# Altium PCB YarnControl_Mainboard_v1.5.PcbDoc
Units mm, origin at the board's own origin, x right, y up, seen from the top; angles counter-clockwise.
Board outline 138.75 x 120 mm, 2 copper layers (Top Layer, Bottom Layer); 128 components, 114 nets, 507 pads, 304 vias.
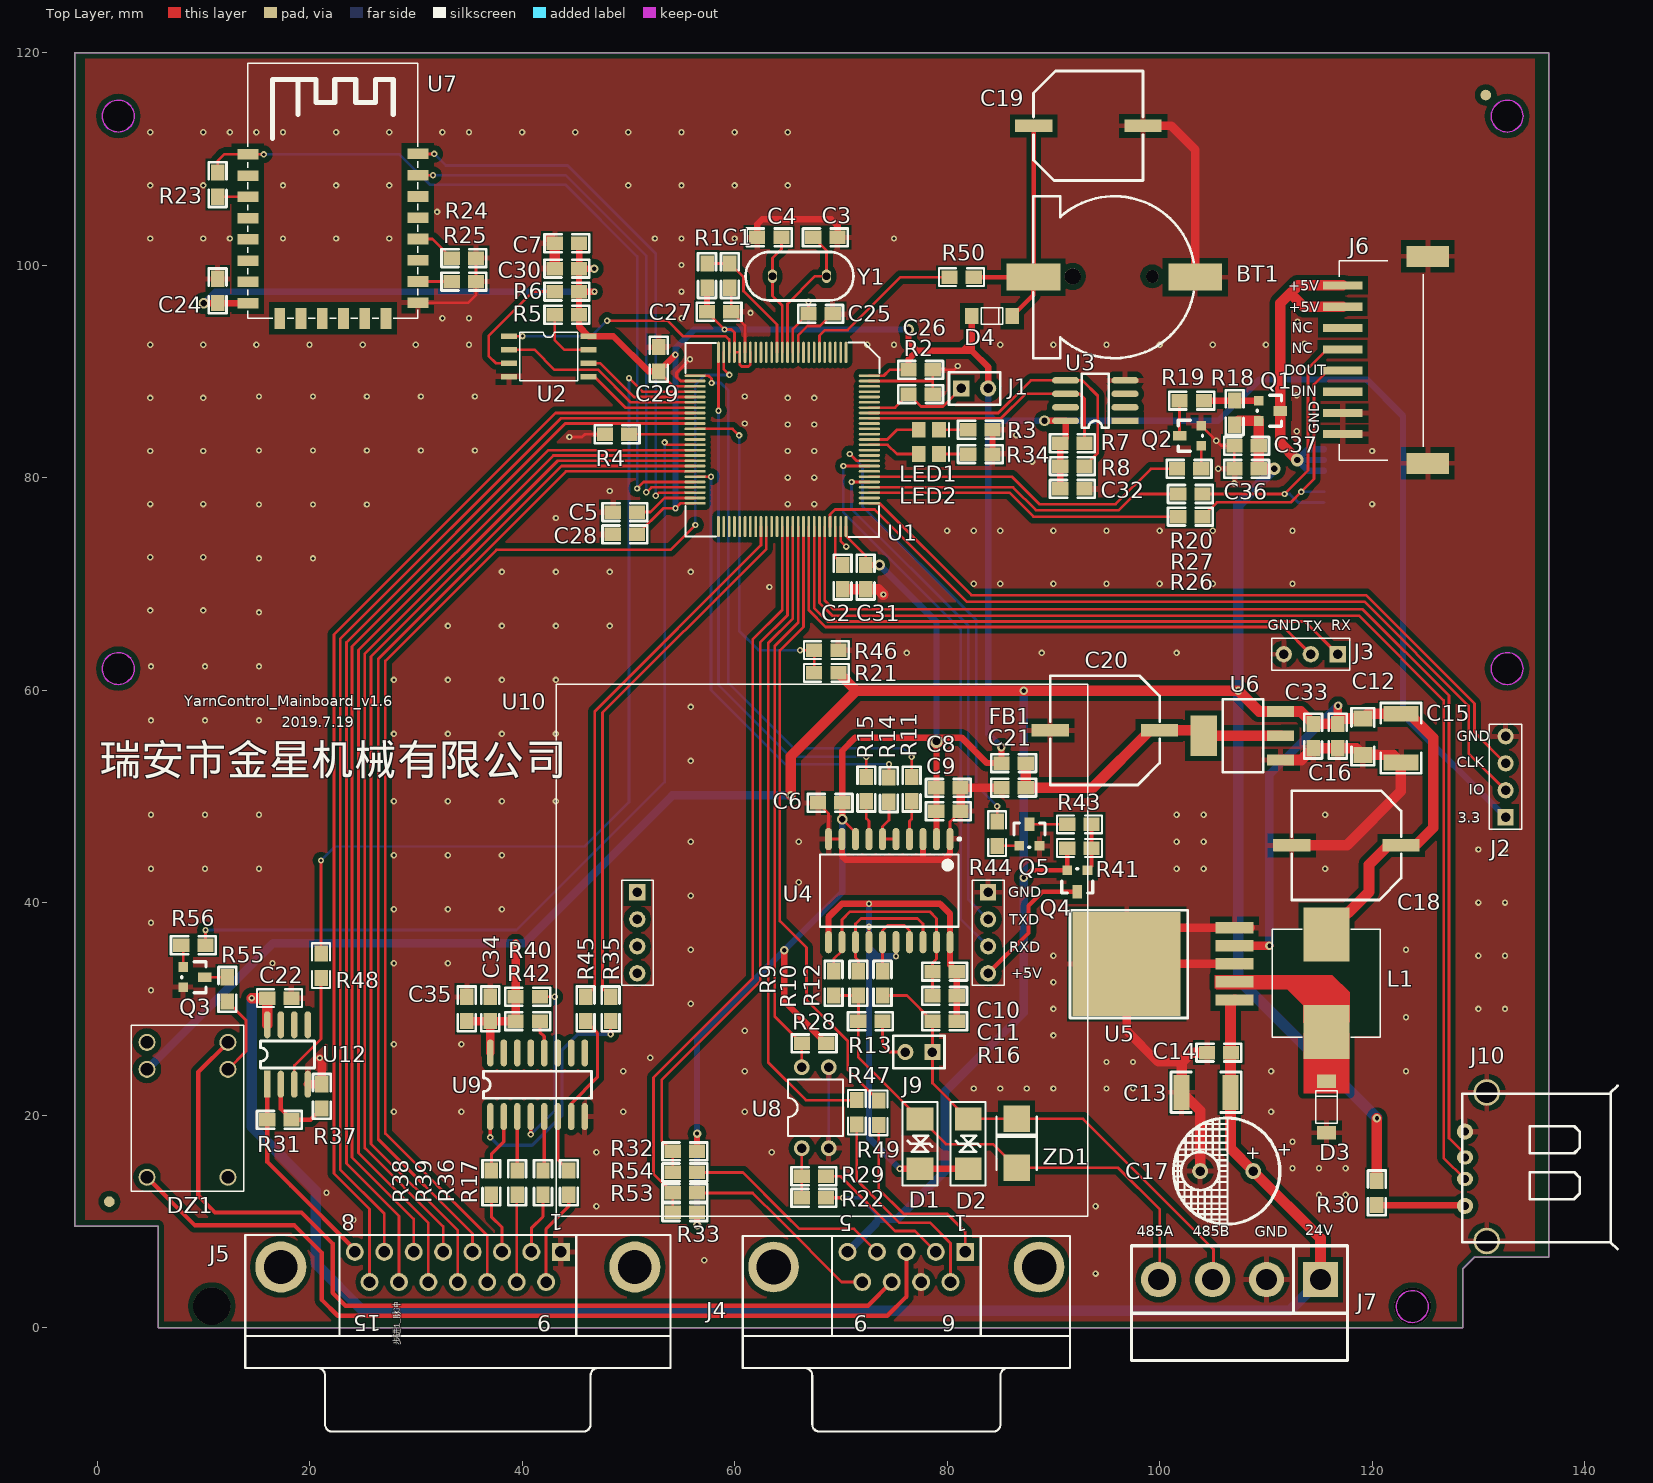
[diagram p0: Top Layer view]
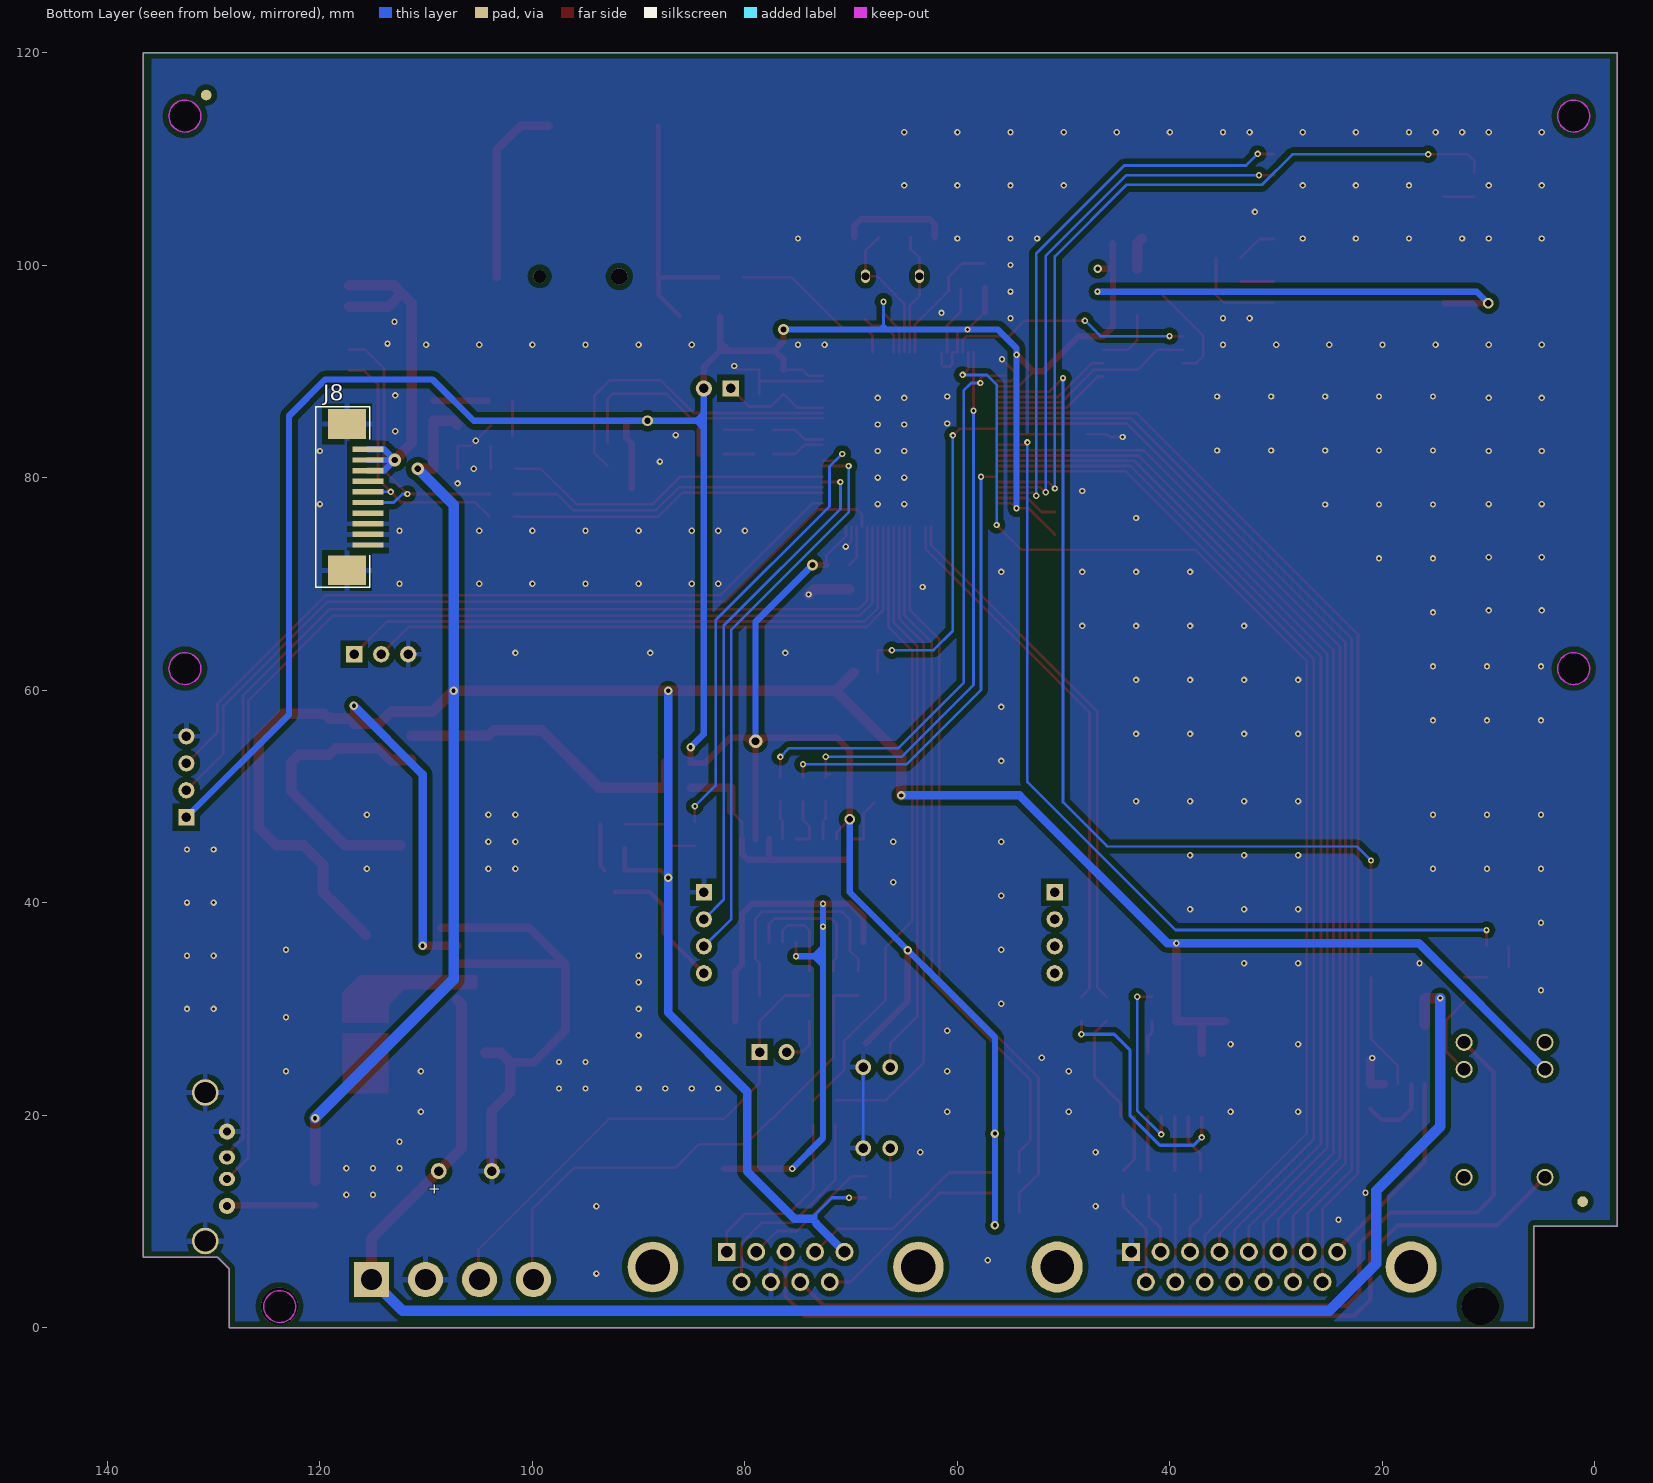
[diagram p1: Bottom Layer view, seen from below]

## Layer stack, top to bottom
Top Layer: signal copper 0.0356
Dielectric: dielectric 0.32, FR-4, Dk 4.8
Bottom Layer: signal copper 0.0356

## Board outline
-2.118,9.55 -2.118,120 136.636,120 136.636,6.604 129.616,6.604 128.549,5.537 128.549,0 5.74,0 5.74,9.55
cut-out: 2,112.519 cw(c2,114.019) 0.5,114.019 cw(c2,114.019) 2,115.519 cw(c2,114.019) 3.5,114.019 cw(c2,114.019)
cut-out: 2,60.519 cw(c2,62.019) 0.5,62.019 cw(c2,62.019) 2,63.519 cw(c2,62.019) 3.5,62.019 cw(c2,62.019)
cut-out: 131.2,62.019 ccw(c132.7,62.019) 132.7,60.519 ccw(c132.7,62.019) 134.2,62.019 ccw(c132.7,62.019) 132.7,63.519 ccw(c132.7,62.019)
cut-out: 131.2,114.019 ccw(c132.7,114.019) 132.7,112.519 ccw(c132.7,114.019) 134.2,114.019 ccw(c132.7,114.019) 132.7,115.519 ccw(c132.7,114.019)

## Design rules (kind name [scope] priority, off if disabled: settings)
Clearance Clearance_1 [inpoly] p1: gap=0.508
Clearance TQFP100 [(HasFootprint('TQFP100'))] p2: gap=0.178
Clearance [All] p3: gap=0.203
ComponentClearance [All] p1: gap=0 collisioncheckmode=3 verticalgap=0.254 showdistances=FALSE
HoleSize [All] p1: absolutevalues=TRUE maxlimit=4 minlimit=0.025 maxpercent=80.000 minpercent=20.000
MinimumSolderMaskSliver [All] p1: minsoldermaskwidth=0
PolygonConnect isVia [isVia] p1: connectstyle=Direct reliefconductorwidth=0.254 reliefentries=4 polygonreliefangle="90 Angle"
PolygonConnect [All] p2: connectstyle=Relief reliefconductorwidth=0.508 reliefentries=4 polygonreliefangle="90 Angle"
RoutingVias [All] p1: holewidth=0.711 width=1.27 viastyle="Through Hole" minholewidth=0.3 minwidth=0.6 maxholewidth=0.711 maxwidth=1.27
SilkToSilkClearance [All] p1: silktosilkclearance=0
SilkscreenOverComponentPads [All] p1: minsilkscreentomaskgap=0
SolderMaskExpansion [All] p1: expansion=0.102
Width [All] p1: maxlimit=2 minlimit=0.254 preferedwidth=0.254
23 further rules are at their usual default settings.

## Classes and differential pairs
component class mainboard_motor.v1.5: C22 J5 R17 R31 R35 R36 R37 R38 R39 R40 R42 R45 R48 U9 U12
component class mainboard_wifi.v1.5: C24 R23 R24 R25 U7
component class mainboard_rs485.v1.5: C6 C7 C8 C9 C10 C11 C12 C13 C14 C15 C16 C17 C18 C20 C21 C25 C26 C27 C28 C29 C30 C31 C32 C33 C34 C35 C36 C37 D1 D2 D3 FB1 J7 J9 L1 R9 R10 R11 R12 R13 R14 R15 R16 U4 U5 U6 ZD1
component class mainboard_mcu.v1.5: BT1 C1 C2 C3 C4 C5 C19 D4 J1 J2 J3 LED1 LED2 R1 R2 R3 R4 R5 R6 R7 R8 R21 R34 R46 R50 R? U1 U2 U3 Y1
component class mainboard_interface.v1.5: DZ1 J4 J6 J8 J10 Q1 Q2 Q3 Q4 Q5 R18 R19 R20 R22 R26 R27 R28 R29 R30 R32 R33 R41 R43 R44 R47 R49 R53 R54 R55 R56 U8 U10

## Components (designator, comment, footprint, x,y, rotation, side; value= is the part's Value field where it differs from the comment)
BT1 "CR1220" CR1220 88.113,98.857 r270 top
C1 "0.1uF" 0805#1 59.556,97.86 r90 top
C2 "2.2uF" 0805#1 70.174,69.488 r90 top
C3 "22p" 0805#1 67.405,102.609 r0 top
C4 "22p" 0805#1 64.408,102.609 r180 top
C5 "2.2uF" 0805#1 50.825,76.759 r180 top
C6 "10uF" 0805#1 67.85,49.384 r0 top
C7 "0.1uF" 0805#1 43.078,102.057 r0 top
C8 "0.1uF" 0805#1 81.261,50.798 r180 top
C9 "10nF" 0805#1 81.261,48.597 r180 top
C10 "10uF" 0805#1 80.906,33.509 r180 top
C11 "0.1uF" 0805#1 80.906,31.223 r180 top
C12 "22uF" 1206 119.126,53.899 r90 top
C13 "47uF" 1812 104.369,22.149 r0 top
C14 "0.1uF" 0805#2 105.588,25.883 r0 top
C15 "47uF" 1812 122.707,55.474 r90 top
C16 "0.1uF" 0805#1 116.764,54.534 r90 top
C17 "220uF" CAP-5mm 108.814,14.732 r180 top
C18 "1000uF" CAP_SMT_10X10 117.577,45.39 r270 top
C19 "1000uF" CAP_SMT_10X10 93.294,113.106 r90 top
C20 "1000uF" CAP_SMT_10X10 94.844,56.21 r270 top
C21 "0.1uF" 0805#1 85.115,50.825 r0 top
C22 "0.1uF" 0805#2 17.17,31.013 r180 top
C24 "0.1uF" 0805#1 11.354,98.704 r270 top
C25 "0.1uF" 0805#1 69.24,95.402 r180 top
C26 "0.1uF" 0805#1 78.657,90.138 r180 top
C27 "0.1uF" 0805#1 59.69,95.606 r180 top
C28 "0.1uF" 0805#1 48.539,74.651 r0 top
C29 "0.1uF" 0805#1 52.857,92.278 r270 top
C30 "0.1uF" 0805#1 43.072,99.663 r0 top
C31 "0.1uF" 0805#1 72.333,69.488 r90 top
C32 "0.1uF" 0805#1 92.932,78.937 r180 top
C33 "0.1uF" 0805#1 114.452,54.534 r90 top
C34 "0.1uF" 0805#1 37.008,31.14 r270 top
C35 "0.1uF" 0805#1 34.798,31.14 r270 top
C36 "0.1uF" 0805#1 107.036,80.823 r0 top
C37 "0.1uF" 0805#1 107.036,82.982 r0 top
D1 "TVS" SMBJ_DO-214 77.451,17.304 r90 top
D2 "TVS" SMBJ_DO-214 81.972,17.304 r90 top
D3 "1N5819" Diode_TP2 115.722,18.339 r90 top
D4 "1N4007" Diode_TP 82.321,95.199 r0 top
DZ1 "HRS1H-S-5V" HRS1H-S-DC5 8.509,20.498 r270 top
FB1 "1A" 0805#1 87.401,53.137 r180 top
J1 "Jumper" J254-2 81.324,88.385 r0 top
J2 "SH-4" J254-4 132.563,48.031 r90 top
J3 "SH-3" J2.54-3 114.224,63.373 r180 top
J4 "D Connector 9" DSUB1.385-2H9 76.168,-3.791 r180 top locked
J5 "D Connector 15" DSUB1.385-2H15 33.953,-3.791 r180 top locked
J6 "SDWe050C11" 8PIN_2.0SMD 121.234,91.084 r90 top
J7 "SH-4" PWR 115.138,4.521 r0 top
J8 "SDWe050C17" FCC1.0-10 116.459,78.156 r180 bottom
J9 "Jumper" J254-2 78.613,25.933 r180 top
J10 "USB" USB_FEMALE_A 135.992,15.215 r0 top
L1 "Inductor" Inductance 115.697,37.49 r270 top
LED1 "GREEN" LED 78.276,84.499 r0 top
LED2 "GREEN" LED 78.276,82.213 r0 top
Q1 "SI2301" MOS-N_SOT-23 110.338,86.284 r270 top
Q2 "S9014" 901X_SOT-23 101.879,83.947 r90 top
Q3 "S9014" 901X_SOT-23 10.135,32.969 r270 top
Q4 "SI2301" MOS-N_SOT-23 92.253,42.037 r180 top
Q5 "S9014" 901X_SOT-23 87.757,47.371 r0 top
R1 "10K" 0805#1 57.404,100.152 r270 top
R2 "10K" 0805#1 76.371,87.852 r0 top
R3 "1K" 0805#1 81.985,84.499 r0 top
R4 "10K" 0805#1 50.089,84.074 r180 top
R5 "10K" 0805#1 45.358,95.32 r180 top
R6 "10K" 0805#1 43.072,97.504 r0 top
R7 "10K" 0805#1 92.932,83.229 r180 top
R8 "10K" 0805#1 92.932,81.083 r180 top
R9 "NC" 0805#1 69.323,31.249 r90 top
R10 "33R" 0805#1 71.66,33.535 r270 top
R11 "220" 0805#1 76.664,51.823 r270 top
R12 "33R" 0805#1 73.921,33.535 r270 top
R13 "120R" 0805#1 73.921,28.836 r180 top
R14 "1K" 0805#1 74.53,51.772 r270 top
R15 "220" 0805#1 72.397,51.823 r270 top
R16 "NC" 0805#1 80.906,28.836 r180 top
R17 "33R" 0805#2 44.399,13.64 r270 top
R18 "10K" 0805#2 107.061,86.106 r90 top
R19 "10K" 0805#2 103.022,87.249 r0 top
R20 "10K" 0805#2 102.768,80.823 r0 top
R21 "10K" 0805#2 68.631,61.62 r0 top
R22 "NC" 0805#2 67.462,12.217 r180 top
R23 "1K" 0805#1 11.354,108.712 r270 top
R24 "NC" 0805#1 33.376,100.66 r0 top
R25 "1K" 0805#1 33.376,98.45 r0 top
R26 "220R" 0805#1 104.045,76.32 r180 top
R27 "220R" 0805#1 104.045,78.454 r180 top
R28 "10K" 0805#1 68.631,26.746 r180 top
R29 "10K" 0805#1 66.319,14.249 r0 top
R30 "0R" 0805#2 120.447,12.675 r270 top
R31 "30K" 0805#2 17.17,19.558 r0 top
R32 "10K" 0805#1 56.464,16.586 r180 top
R33 "10K" 0805#1 56.464,10.871 r180 top
R34 "1K" 0805#1 81.985,82.213 r0 top
R35 "100R" 0805#2 48.336,29.997 r90 top
R36 "33R" 0805#2 41.969,13.64 r270 top
R37 "10K" 0805#2 21.158,21.768 r90 top
R38 "33R" 0805#2 37.109,13.64 r270 top
R39 "33R" 0805#2 39.539,13.64 r270 top
R40 "0R" 0805#2 40.538,31.14 r180 top
R41 "10K" 0805#2 92.456,45.136 r0 top
R42 "0R" 0805#2 40.538,28.854 r0 top
R43 "10K" 0805#2 92.456,47.371 r0 top
R44 "10K" 0805#2 84.709,46.482 r270 top
R45 "100R" 0805#2 45.974,29.997 r90 top
R46 "10K" 0805#2 68.631,63.754 r180 top
R47 "0R" 0805#2 71.501,20.269 r270 top
R48 "1K" 0805#2 21.082,34.061 r90 top
R49 "0R" 0805#2 73.558,20.218 r270 top
R50 "0R" 0805#2 81.356,98.857 r180 top
R53 "0R" 0805#2 55.321,12.675 r180 top
R54 "0R" 0805#2 55.321,14.605 r180 top
R55 "0R" 0805#2 12.268,31.826 r270 top
R56 "10K" 0805#2 9.068,35.992 r0 top
U1 "STM32F40x" TQFP100 64.484,83.585 r270 top locked
U2 "W25X16" SOP8 42.513,91.408 r0 top
U3 "SMEC98SP" SO-8 93.948,87.242 r180 top
U4 "ADM2587E" SOIC_W_20 75.191,37.827 r270 top
U5 "LM2575-5" TO-263 101.981,34.239 r0 top
U6 "AMS1117" TO-223 107.772,55.702 r90 top
U7 "ESP-12F" ESP-12F 22.2,102.718 r0 top
U8 "TLP521-1" TLP521-1 67.462,19.964 r90 top
U9 "AM26LS31" SO-16 37.008,19.863 r90 top
U10 "MifareRC522" MifareRC522 67.35,37.16 r0 top locked
U12 "LM358" SO-8 17.932,25.705 r90 top
Y1 "8M" XTAL 63.57,98.952 r0 top
ZD1 "SMBJ15CA" DO-214AA/SMB 86.538,17.348 r90 top

## Footprints (in the part's own frame and the unit in brackets; to place one, negate y for a bottom-side part, rotate by r counter-clockwise, add the part's x,y. Pads: shape width x height; smd on the part's side, far side on the other; paste and mask are expansions set on the pad)
8PIN_2.0SMD [mil]
  rect 30x147 smd: 1(275.5,157) 2(196.5,158) 3(117.5,157) 4(38.5,158) 5(-39.5,157) 6(-118.5,157) 7(-197.5,157) 8(-275.5,157)
  rect 78x157 smd: 9(383.5,-158) 10(-383.5,-158)
  silkscreen extent -372,-140 368,170
0805#1 [mil]
  rect 60x50 smd: 1(0,0) 2(90,0)
  silkscreen extent -38,-33 128,33
0805#2 [mil]
  rect 60x50 smd: 1(-45,0) 2(45,0)
  silkscreen extent -83,-33 83,33, body extent -39,-25 39,24, height 18
901X_SOT-23 [mil]
  rect 36x50 smd: 1(0,0)
  rect 36x36 smd: 2(-38,-80) 3(37,-80)
  silkscreen extent -58,-85 57,5
1206 [mil]
  rect 60x70 smd: 1(0,0) 2(135,0)
  silkscreen extent -38,-42 173,42
1812 [mm]
  rect 1.5x3.3 smd: 1(-2.3,0) 2(2.3,0)
  silkscreen extent -3.3,-1.91 3.3,1.91
CAP-5mm [mm]
  round 1.5 hole 0.9: 1(0,0) 2(5,0)
  silkscreen extent -2.5,-5 7.5,5
CAP_SMT_10X10 [mm]
  rect 1.2x3.5 smd: 1(0,5.143) 2(0,-5.143)
  silkscreen extent -5.15,-5.14 5.15,5.16
CR1220 [mil]
  round 47.24 hole 47.24: 0(-3,441)
  round 60 hole 60: 0(-3,146)
  rect 100x200 smd: 1(0,0) 2(0,600)
  silkscreen extent -300,0 300,595
Diode_TP [mil]
  rect 50x60 smd: 1(0,0) 2(150,0)
  silkscreen extent 35,-30 115,30
Diode_TP2 [mil]
  rect 50x70 smd: 1(0,0) 2(190,0)
  silkscreen extent 35,-40 155,40
DO-214AA/SMB [mm]
  rect 2.5x2.5 smd: 1(-2.3,0) 2(2.3,0)
  silkscreen extent -2.5,-1.9 2.5,1.9
DSUB1.385-2H9 [mm] "Connector; D Subminiature; 9 Position; Right Angle; Pitch 1.385 mm"
  rect 1.69x1.69 hole 1.09: 1(-5.54,-10.92)
  round 1.69 hole 1.09: 2(-2.77,-10.92) 3(0,-10.92) 4(2.77,-10.92) 5(5.54,-10.92) 6(-4.155,-8.08) 7(-1.385,-8.08) 8(1.385,-8.08) 9(4.155,-8.08)
  round 4.76 hole 3.26: 10(-12.495,-9.5) 11(12.495,-9.5)
  silkscreen extent -15.4,-12.4 15.4,6
DSUB1.385-2H15 [mm] "Connector; D Subminiature; 15 Position; Right Angle; Pitch 1.385 mm"
  rect 1.69x1.69 hole 1.09: 1(-9.695,-10.92)
  round 1.69 hole 1.09: 2(-6.925,-10.92) 3(-4.155,-10.92) 4(-1.385,-10.92) 5(1.385,-10.92) 6(4.155,-10.92) 7(6.925,-10.92) 8(9.695,-10.92) 9(-8.31,-8.08) 10(-5.54,-8.08) 11(-2.77,-8.08) 12(0,-8.08) 13(2.77,-8.08) 14(5.54,-8.08) 15(8.31,-8.08)
  round 4.8 hole 3.18: 16(-16.66,-9.5) 17(16.66,-9.5)
  silkscreen extent -20,-12.5 20,6
ESP-12F [mm]
  rect 2x1 smd: 1(-8,7.7) 2(-8,5.7) 3(-8,3.7) 4(-8,1.7) 5(-8,-0.3) 6(-8,-2.3) 7(-8,-4.3) 8(-8,-6.3) 15(8,-6.26) 16(8,-4.26) 17(8,-2.26) 18(8,-0.26) 19(8,1.74) 20(8,3.74) 21(8,5.74) 22(8,7.74)
  rect 1x2 smd: 9(-5,-7.74) 10(-3,-7.74) 11(-1,-7.74) 12(1,-7.74) 13(3,-7.74) 14(5,-7.74)
  silkscreen extent -8,-7.74 8,16.26
FCC1.0-10 [mil]
  rect 114x20 smd: 1(39,177) 2(39,137.63) 3(39,98.26) 4(39,58.89) 5(39,19.52) 6(39,-19.85) 7(39,-59.22) 8(39,-98.59) 9(39,-137.96) 10(39,-177.33)
  rect 142x110 smd: 11(-39,271) 12(-39,-271)
  silkscreen extent -155,-335 45,335
HRS1H-S-DC5 [mm]
  round 1.6 hole 1.2: 1(-6.35,-3.81) 2(-3.81,-3.81) 3(6.35,-3.81) 4(6.35,3.81) 5(-3.81,3.81) 6(-6.35,3.81)
  silkscreen extent -7.95,-5.31 7.65,5.31
Inductance [mil]
  rect 200x170 smd: 1(20,0) 2(380,0)
  silkscreen extent 0,-200 400,200
J2.54-3 [mil]
  rect 60x60 hole 35: 1(-100,0)
  round 60 hole 35: 2(0,0) 3(100,0)
  silkscreen extent -145,-60 145,60
J254-2 [mil]
  rect 60x60 hole 35: 1(0,0)
  round 60 hole 35: 2(100,0)
  silkscreen extent -45,-60 145,60
J254-4 [mil]
  rect 60x60 hole 35: 1(0,0)
  round 60 hole 35: 2(100,0) 3(200,0) 4(300,0)
  silkscreen extent -45,-60 345,60
LED [mm]
  rect 1.3x1.5 smd: 1(-0.95,0) 2(0.95,0)
  silkscreen extent 1.9,-0.65 1.9,0.65
MifareRC522 [mil]
  rect 60x60 hole 35: 1(650,150) 8(-650,150)
  round 60 hole 35: 2(650,50) 3(650,-50) 4(650,-150) 5(-650,-150) 6(-650,-50) 7(-650,50)
  silkscreen extent -950,-1050 1019,920
MOS-N_SOT-23 [mil]
  rect 36x50 smd: D(0.5,40)
  rect 36x36 smd: G(-37.5,-40) S(37.5,-40)
  silkscreen extent -58,-45 58,45
PWR [mil]
  rect 130x130 hole 76.77: 1(0,0)
  round 130 hole 76.77: 2(-200,0) 3(-400,0) 4(-600,0)
  silkscreen extent -700,-300 100,125
SMBJ_DO-214 [mm]
  rect 2.16x2.5 smd: 1(-2.35,0) 2(2.35,0)
  silkscreen extent -3.94,-1.65 3.94,1.65, body extent -2.8,-1.95 2.8,1.95, height 2.5
SO-8 [mil]
  rect 100x24 smd: 1(-110,75)
  oval 100x24 smd: 2(-110,25) 3(-110,-25) 4(-110,-75) 5(110,-75) 6(110,-25) 7(110,25) 8(110,75)
  silkscreen extent -50,-100 50,100
SO-16 [mil]
  oval 100x24 smd: 1(0,0) 2(0,-50) 3(0,-100) 4(0,-150) 5(0,-200) 6(0,-250) 7(0,-300) 8(0,-350) 9(236,-350) 10(236,-300) 11(236,-250) 12(236,-200) 13(236,-150) 14(236,-100) 15(236,-50) 16(236,0)
  silkscreen extent 68,-375 168,25
SOIC_W_20 [mm]
  oval 2.1x0.65 smd: 1(-8.152,5.08) 2(-8.152,3.81) 3(-8.152,2.54) 4(-8.152,1.27) 5(-8.152,0) 6(-8.152,-1.27) 7(-8.152,-2.54) 8(-8.152,-3.81) 9(-8.152,-5.08) 10(-8.152,-6.35) 11(1.548,-6.35) 12(1.548,-5.08) 13(1.548,-3.81) 14(1.548,-2.54) 15(1.548,-1.27) 16(1.548,0) 17(1.548,1.27) 18(1.548,2.54) 19(1.548,3.81) 20(1.548,5.08)
  silkscreen extent -8.28,-7.13 0.1,6.08, body extent -8.46,-7.13 1.86,5.86, height 2.5
SOP8 [mm]
  rect 1.5x0.5 smd: 1(-3.75,1.905) 2(-3.75,0.635) 3(-3.75,-0.635) 4(-3.75,-1.905) 5(3.75,-1.905) 6(3.75,-0.635) 7(3.75,0.635) 8(3.75,1.905)
  silkscreen extent -2.75,-2.29 2.75,2.29
TLP521-1 [mm]
  round 1.5 hole 0.9: 1(-3.073,1.143) 2(-3.073,-1.397) 3(4.547,-1.397) 4(4.547,1.143)
  silkscreen extent -1.93,-2.76 3.4,2.44
TO-223 [mil]
  rect 150x100 smd: 0(0,142.5)
  rect 40x100 smd: 1(-90,-142.5) 2(0,-142.5) 3(90,-142.5)
  silkscreen extent -135,-78 135,73
TO-263 [mil]
  rect 400x385 smd: 0(-199.95,-1)
  rect 140x42 smd: 1(199.95,-134) 2(199.95,-67) 3(199.95,0) 4(199.95,67) 5(199.95,134)
  silkscreen extent -410,-201 26,199
TQFP100 [mm]
  round 1 on Top Overlay: 0(-7.62,7.62)
  oval 2x0.254 smd: 1(-8.2,6) 2(-8.2,5.5) 3(-8.2,5) 4(-8.2,4.5) 5(-8.2,4) 6(-8.2,3.5) 7(-8.2,3) 8(-8.2,2.5) 9(-8.2,2) 10(-8.2,1.5) 11(-8.2,1) 12(-8.2,0.5) 13(-8.2,0) 14(-8.2,-0.5) 15(-8.2,-1) 16(-8.2,-1.5) 17(-8.2,-2) 18(-8.2,-2.5) 19(-8.2,-3) 20(-8.2,-3.5) 21(-8.2,-4) 22(-8.2,-4.5) 23(-8.2,-5) 24(-8.2,-5.5) 25(-8.2,-6) 51(8.2,-6) 52(8.2,-5.5) 53(8.2,-5) 54(8.2,-4.5) 55(8.2,-4) 56(8.2,-3.5) 57(8.2,-3) 58(8.2,-2.5) 59(8.2,-2) 60(8.2,-1.5) 61(8.2,-1) 62(8.2,-0.5) 63(8.2,0) 64(8.2,0.5) 65(8.2,1) 66(8.2,1.5) 67(8.2,2) 68(8.2,2.5) 69(8.2,3) 70(8.2,3.5) 71(8.2,4) 72(8.2,4.5) 73(8.2,5) 74(8.2,5.5) 75(8.2,6)
  oval 0.254x2 smd: 26(-6,-8.2) 27(-5.5,-8.2) 28(-5,-8.2) 29(-4.5,-8.2) 30(-4,-8.2) 31(-3.5,-8.2) 32(-3,-8.2) 33(-2.5,-8.2) 34(-2,-8.2) 35(-1.5,-8.2) 36(-1,-8.2) 37(-0.5,-8.2) 38(0,-8.2) 39(0.5,-8.2) 40(1,-8.2) 41(1.5,-8.2) 42(2,-8.2) 43(2.5,-8.2) 44(3,-8.2) 45(3.5,-8.2) 46(4,-8.2) 47(4.5,-8.2) 48(5,-8.2) 49(5.5,-8.2) 50(6,-8.2) 76(6,8.2) 77(5.5,8.2) 78(5,8.2) 79(4.5,8.2) 80(4,8.2) 81(3.5,8.2) 82(3,8.2) 83(2.5,8.2) 84(2,8.2) 85(1.5,8.2) 86(1,8.2) 87(0.5,8.2) 88(0,8.2) 89(-0.5,8.2) 90(-1,8.2) 91(-1.5,8.2) 92(-2,8.2) 93(-2.5,8.2) 94(-3,8.2) 95(-3.5,8.2) 96(-4,8.2) 97(-4.5,8.2) 98(-5,8.2) 99(-5.5,8.2) 100(-6,8.2)
  silkscreen extent -9.12,-9.1 9.17,9.14
USB_FEMALE_A [mil]
  round 60 hole 30: 1(-285.63,-147.91) 4(-285.63,127.09)
  oval 60x52.13 hole 30: 2(-285.63,-47.91) 3(-285.63,32.09)
  round 98.43 hole 78.74: 5(-205,272.09) 6(-205,-277.91)
  silkscreen extent -296,-308 279,297
XTAL [mil]
  oval 35x50 hole 28: 1(0,0) 2(200,0)
  silkscreen extent -100,-90 300,90

## Part data
BT1: library part Battery, "Multicell Battery"
C1 C2 C3 C4 C5 C6 C7 C8 C9 C10 C11 C13 C14 C22 C24: library part Cap, "Capacitor"
C12 C15 C16 C21 C25 C26 C27 C28 C29 C30 C31 C32 C33 C34 C35 C36 C37: library part Cap0805
C17 C18 C19 C20: library part "Cap Pol1", "Polarized Capacitor (Radial)"
D3: library part "Diode 1N4148", "High Conductance Fast Diode"
D4: library part Diode, "Default Diode"
FB1: library part FERRITE
J4: "Receptacle Assembly, 9 Position, Right Angle"
J5: "Receptacle Assembly, 15 Position, Right Angle"
J6: library part SDWe043T04
J8: library part SH-12
LED1 LED2: library part LED2, "Typical RED, GREEN, YELLOW, AMBER GaAs LED"
Q1 Q4: library part MOS-P_SOT-23
Q2 Q3 Q5: library part NPN
R1 R4 R5 R6 R7 R8 R9 R10 R11 R12 R13 R14 R15 R16 R17 R18 R19 R20 R21 R22 R23 R24 R25 R26 R27 R28 R29 R30 R32 R33 R35 R36 R38 R39 R40 R41 R42 R43 R44 R45 R46 R47 R49 R53 R54: library part Res2, "Resistor"
R2 R3 R31 R34 R37 R48 R50 R55 R56: library part RES, "电阻"
U4: "isolated DC-DC RS485"
U5: library part LM25XX
Y1: library part X-32.768, "Crystal Oscillator"
ZD1: library part TVS, "瞬态抑制二极管"

## Free pads (board coordinates)
  round 1 smd: 0(1.16,11.86) 0(130.7,116)
  round 1 smd far side: 0(1.16,11.86) 0(130.7,116)
  round 3.5 hole 3.5: 1(10.8,2.019) 1(123.8,2.019)
